# Altium PCB bms_mainboard-1_1.PcbDoc (part 1 of 7)
Units mm, origin at the board's own origin, x right, y up, seen from the top; angles counter-clockwise.
Board outline 287.5 x 127.76 mm, 6 copper layers (L1, L2, L3, L4, L5, L6), stack 1.853 mm thick; 841 components, 653 nets, 2906 pads, 1959 vias.
Unrouted connection lines stored in the file: 199.
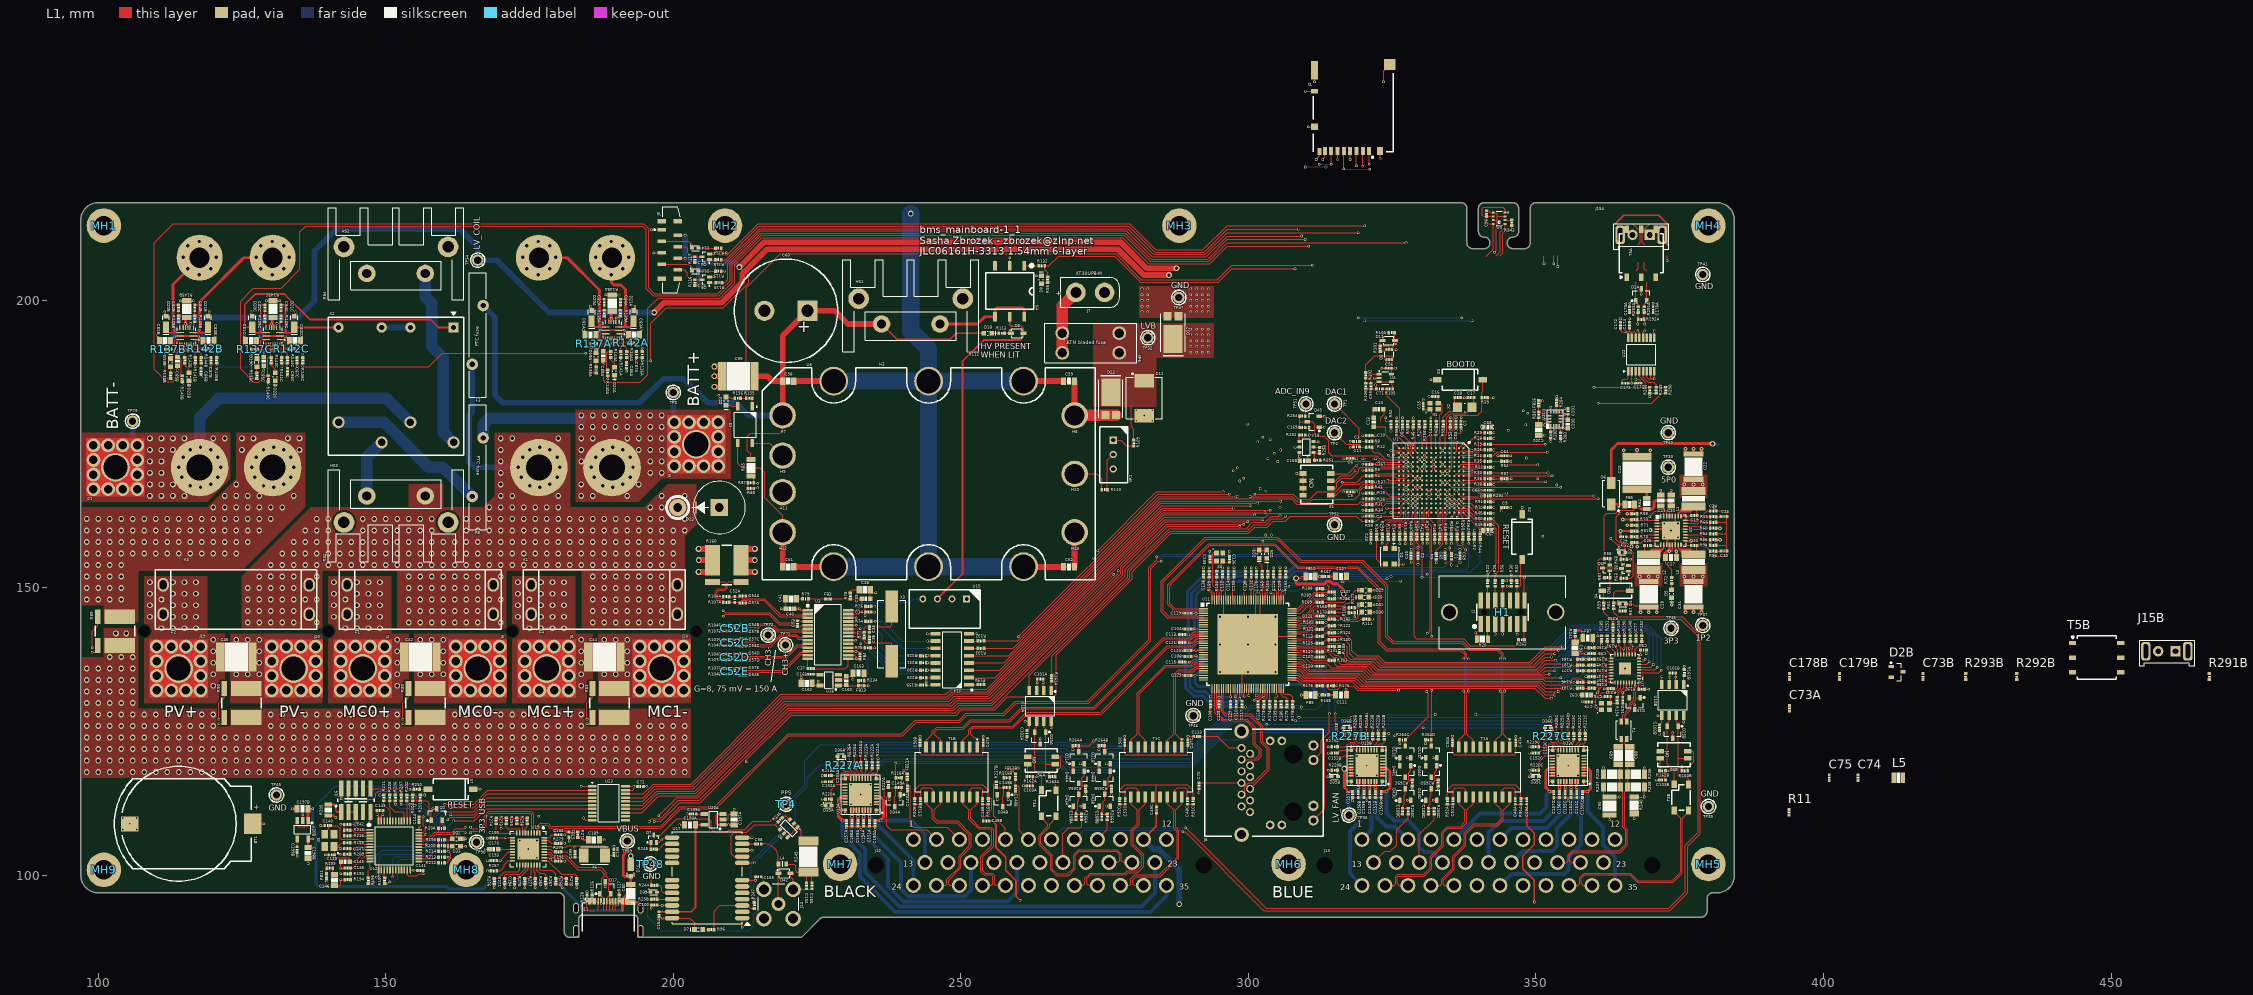
[diagram p0: L1 view]
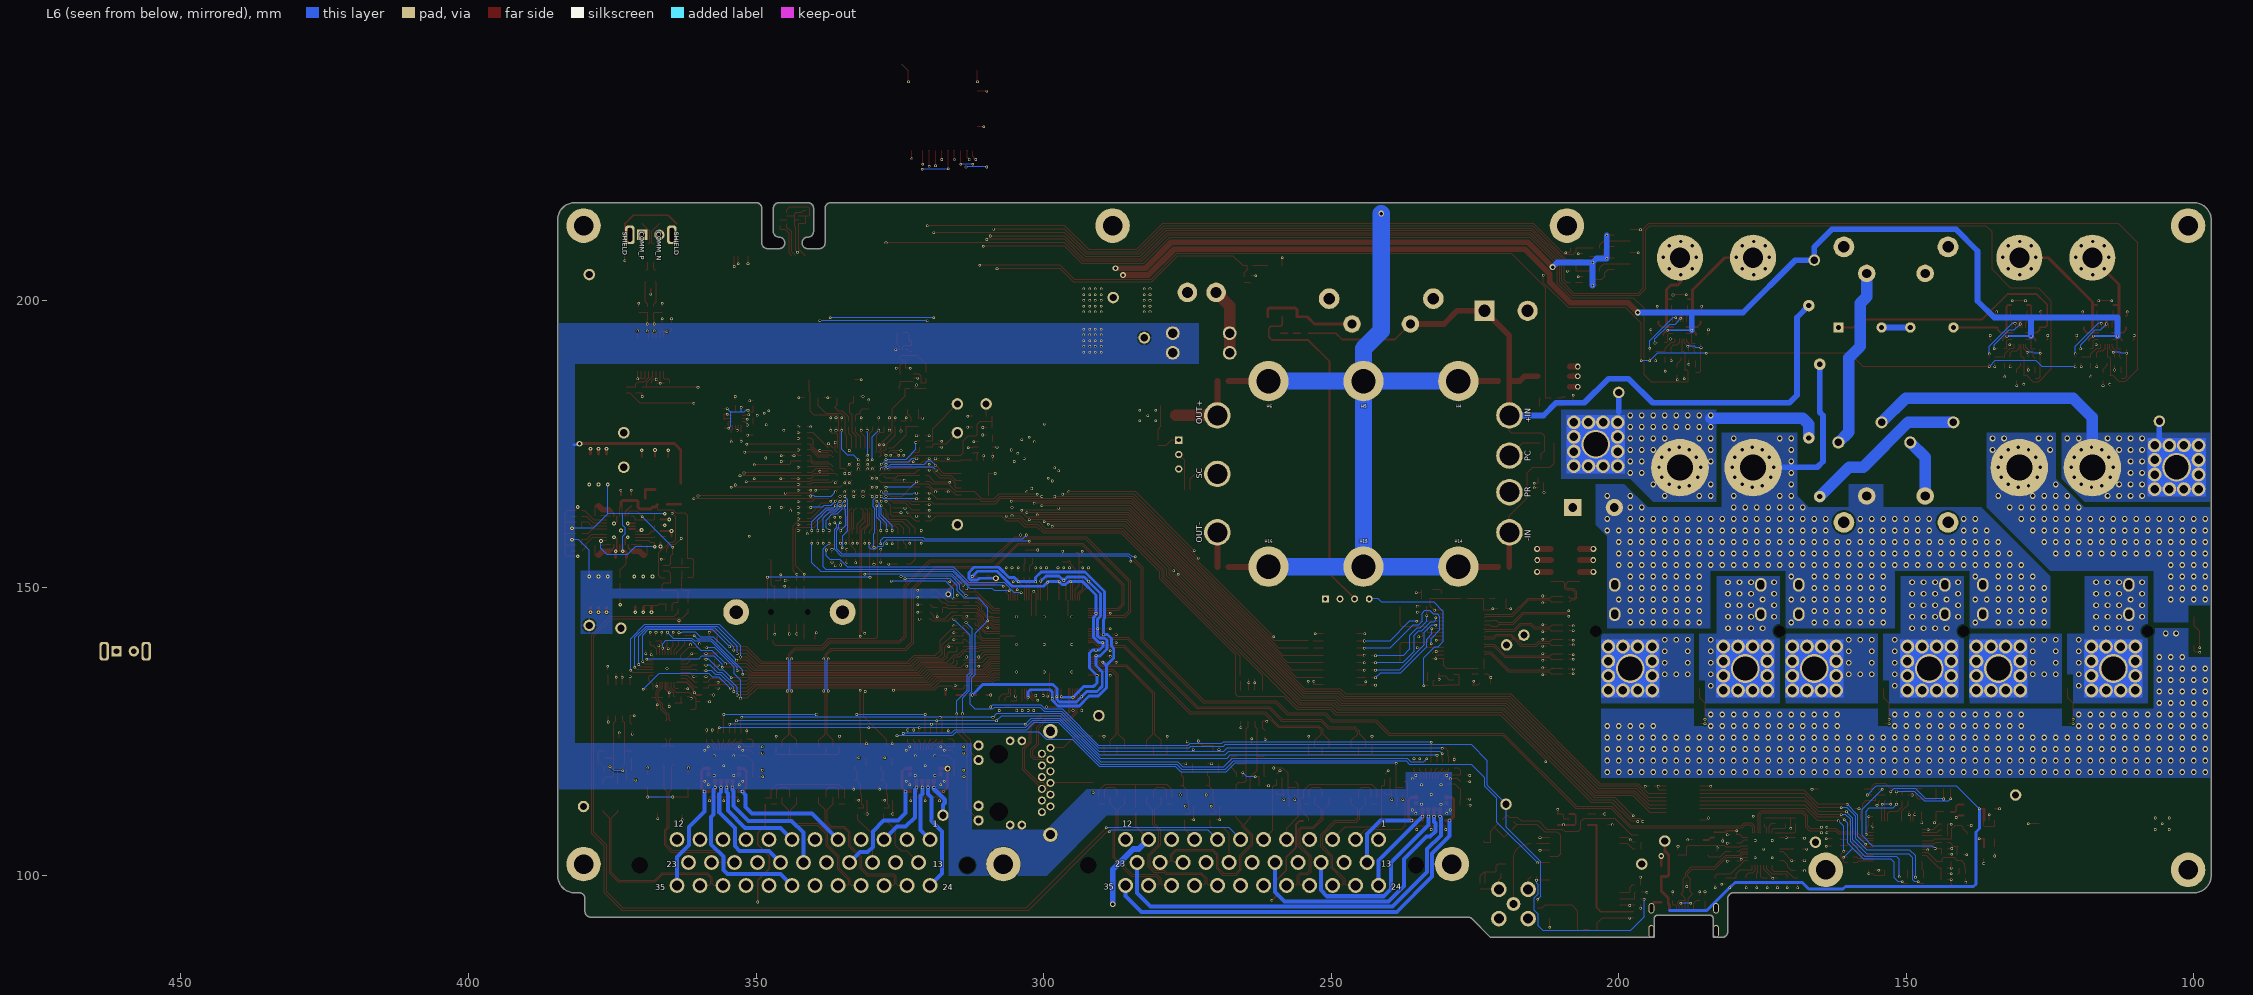
[diagram p1: L6 view, seen from below]
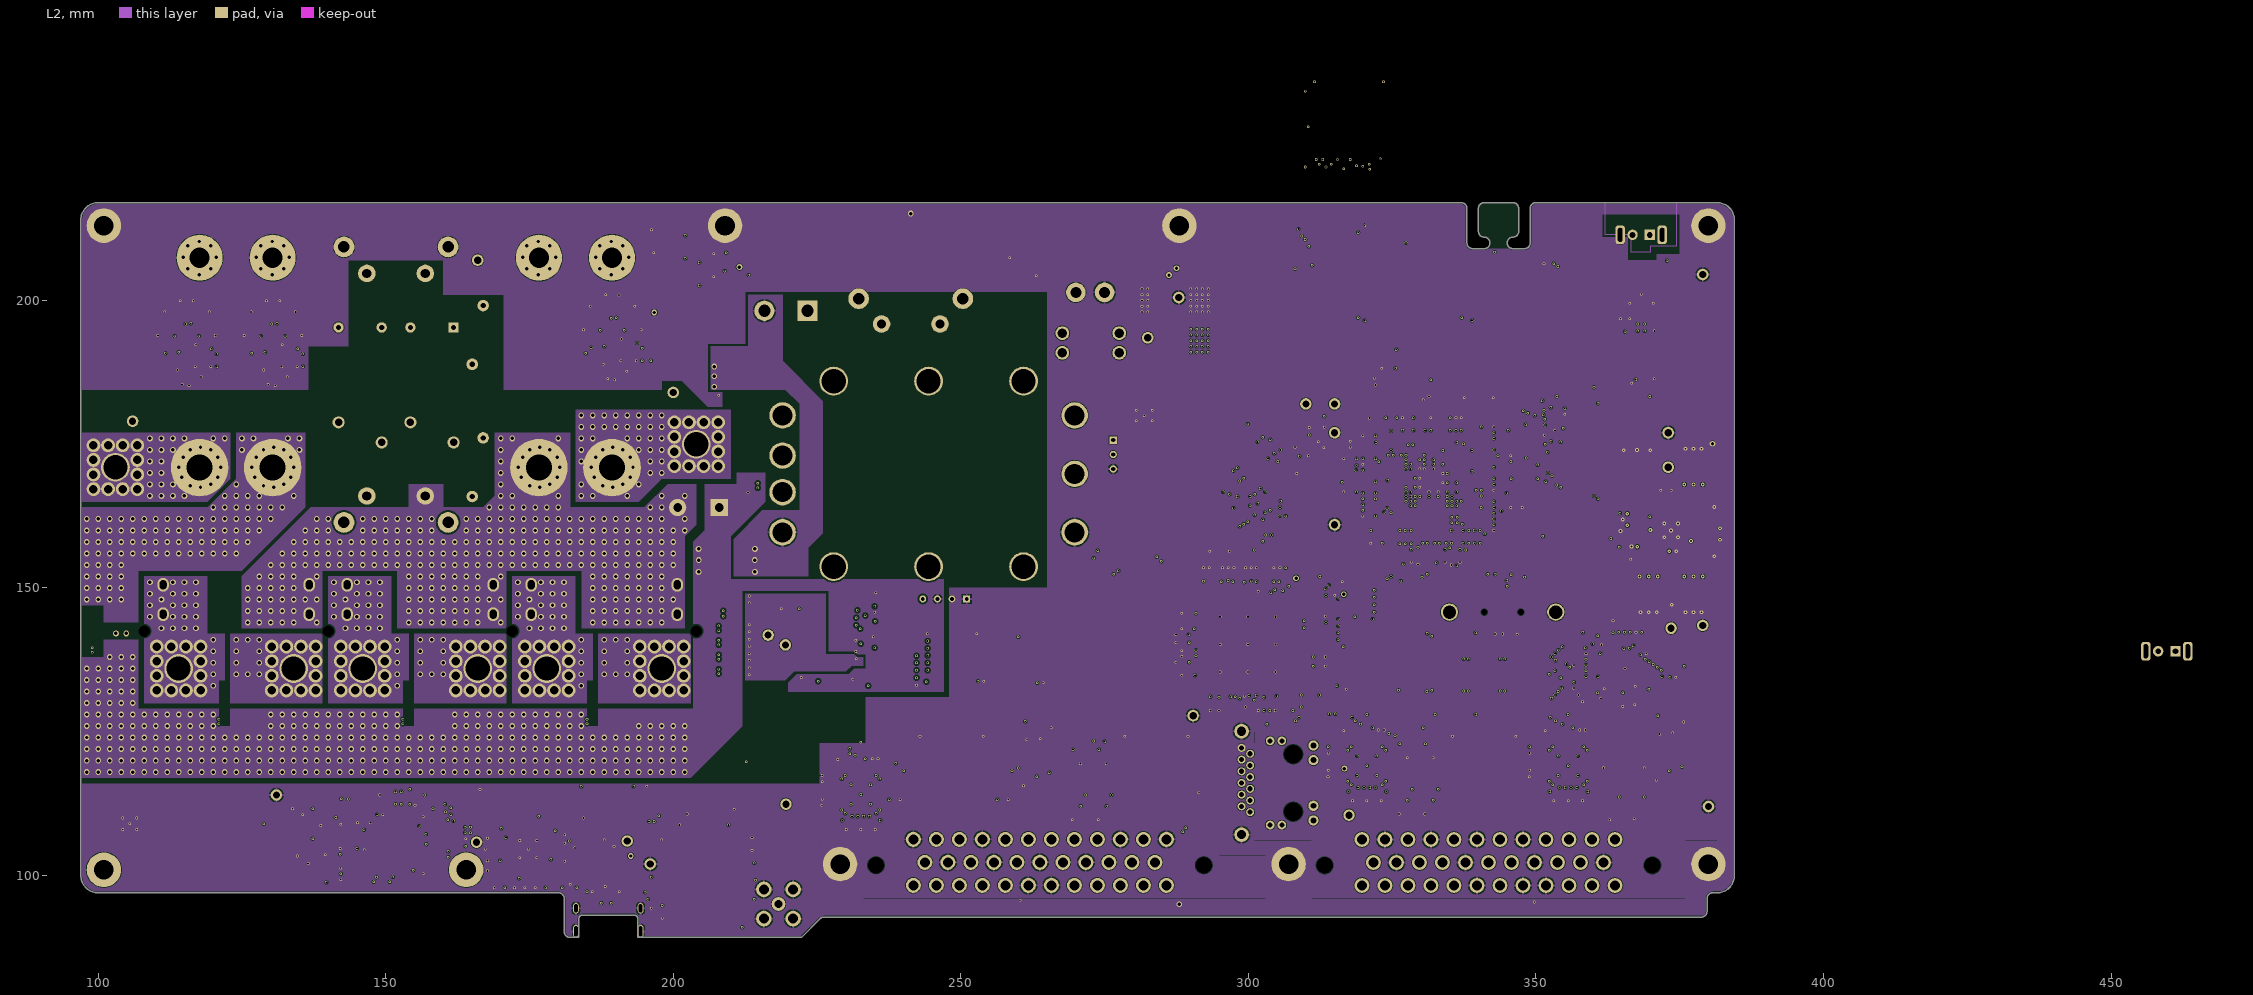
[diagram p2: L2]
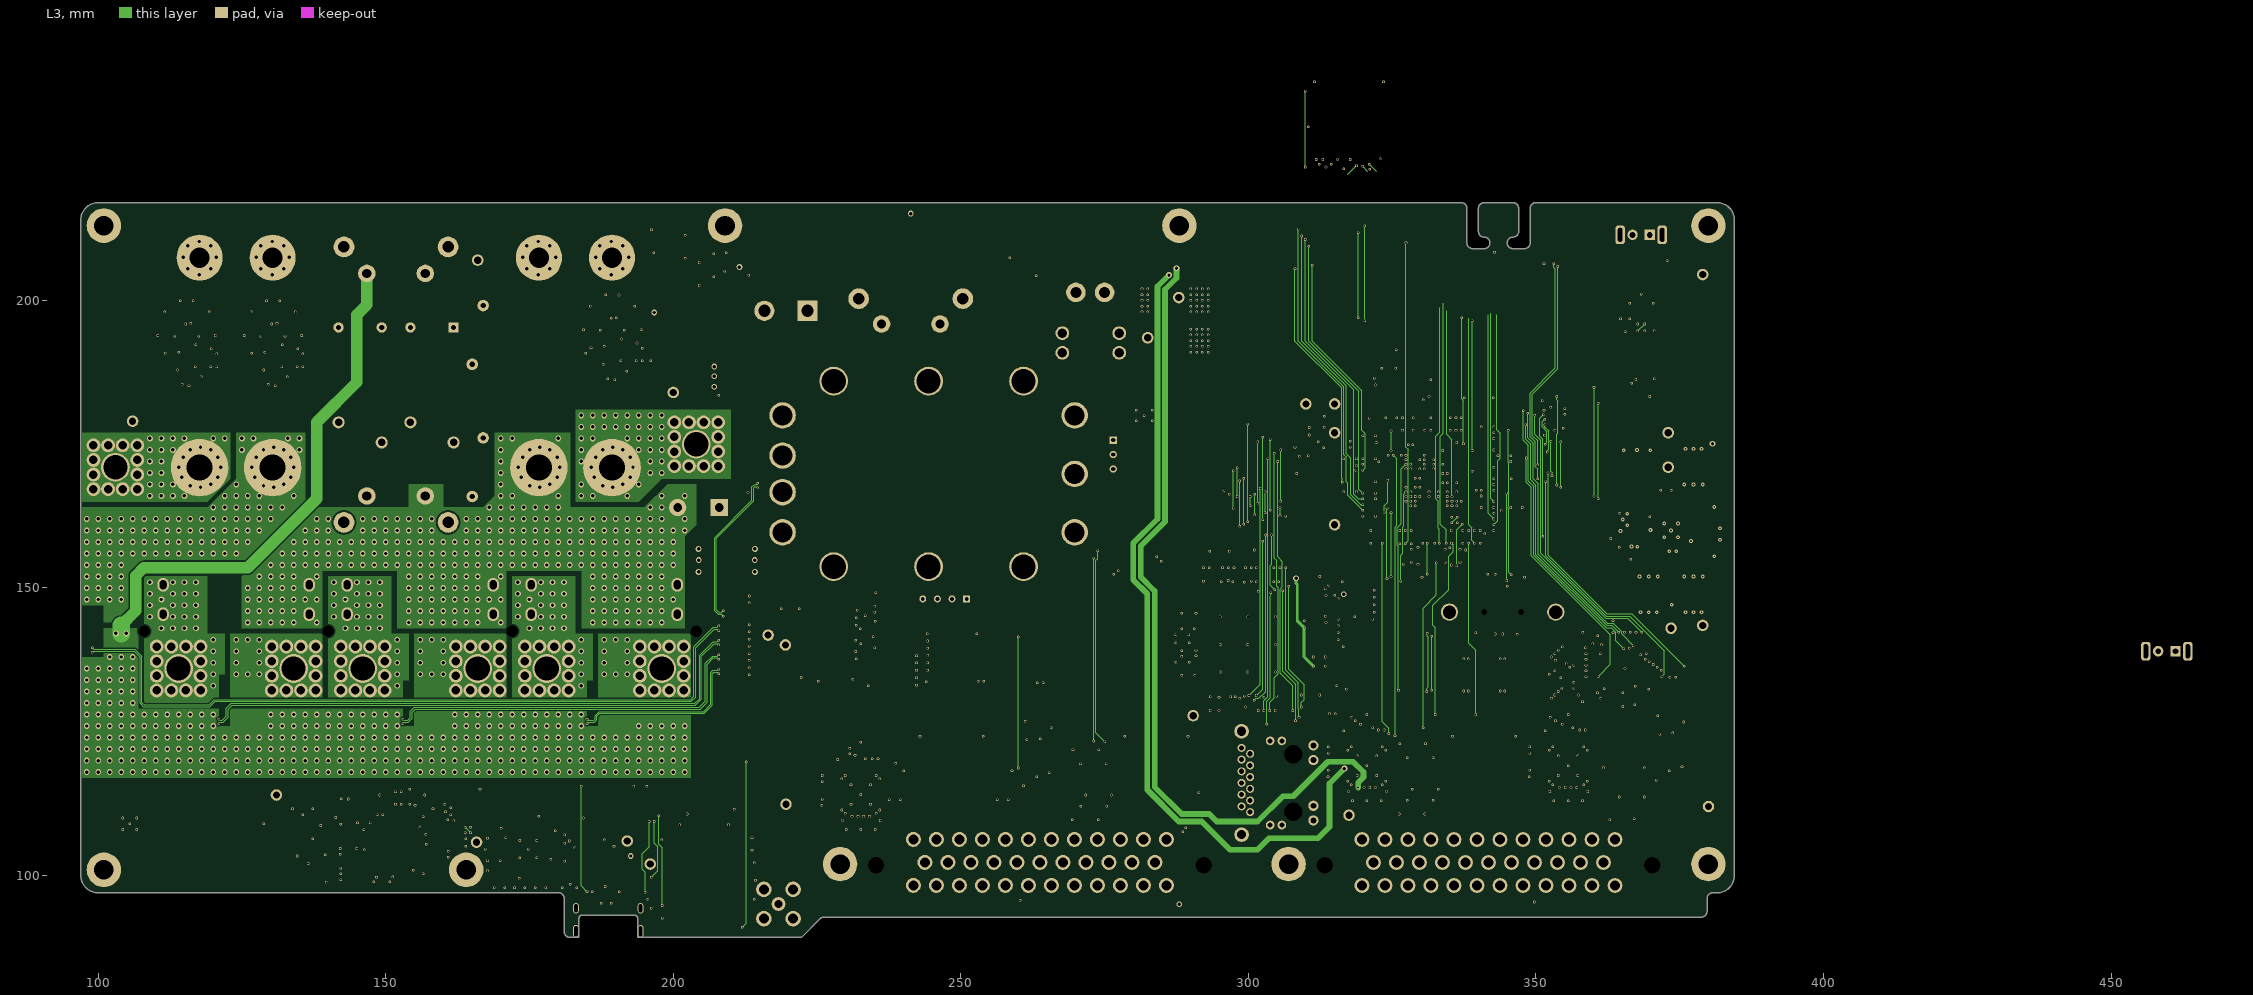
[diagram p3: L3]
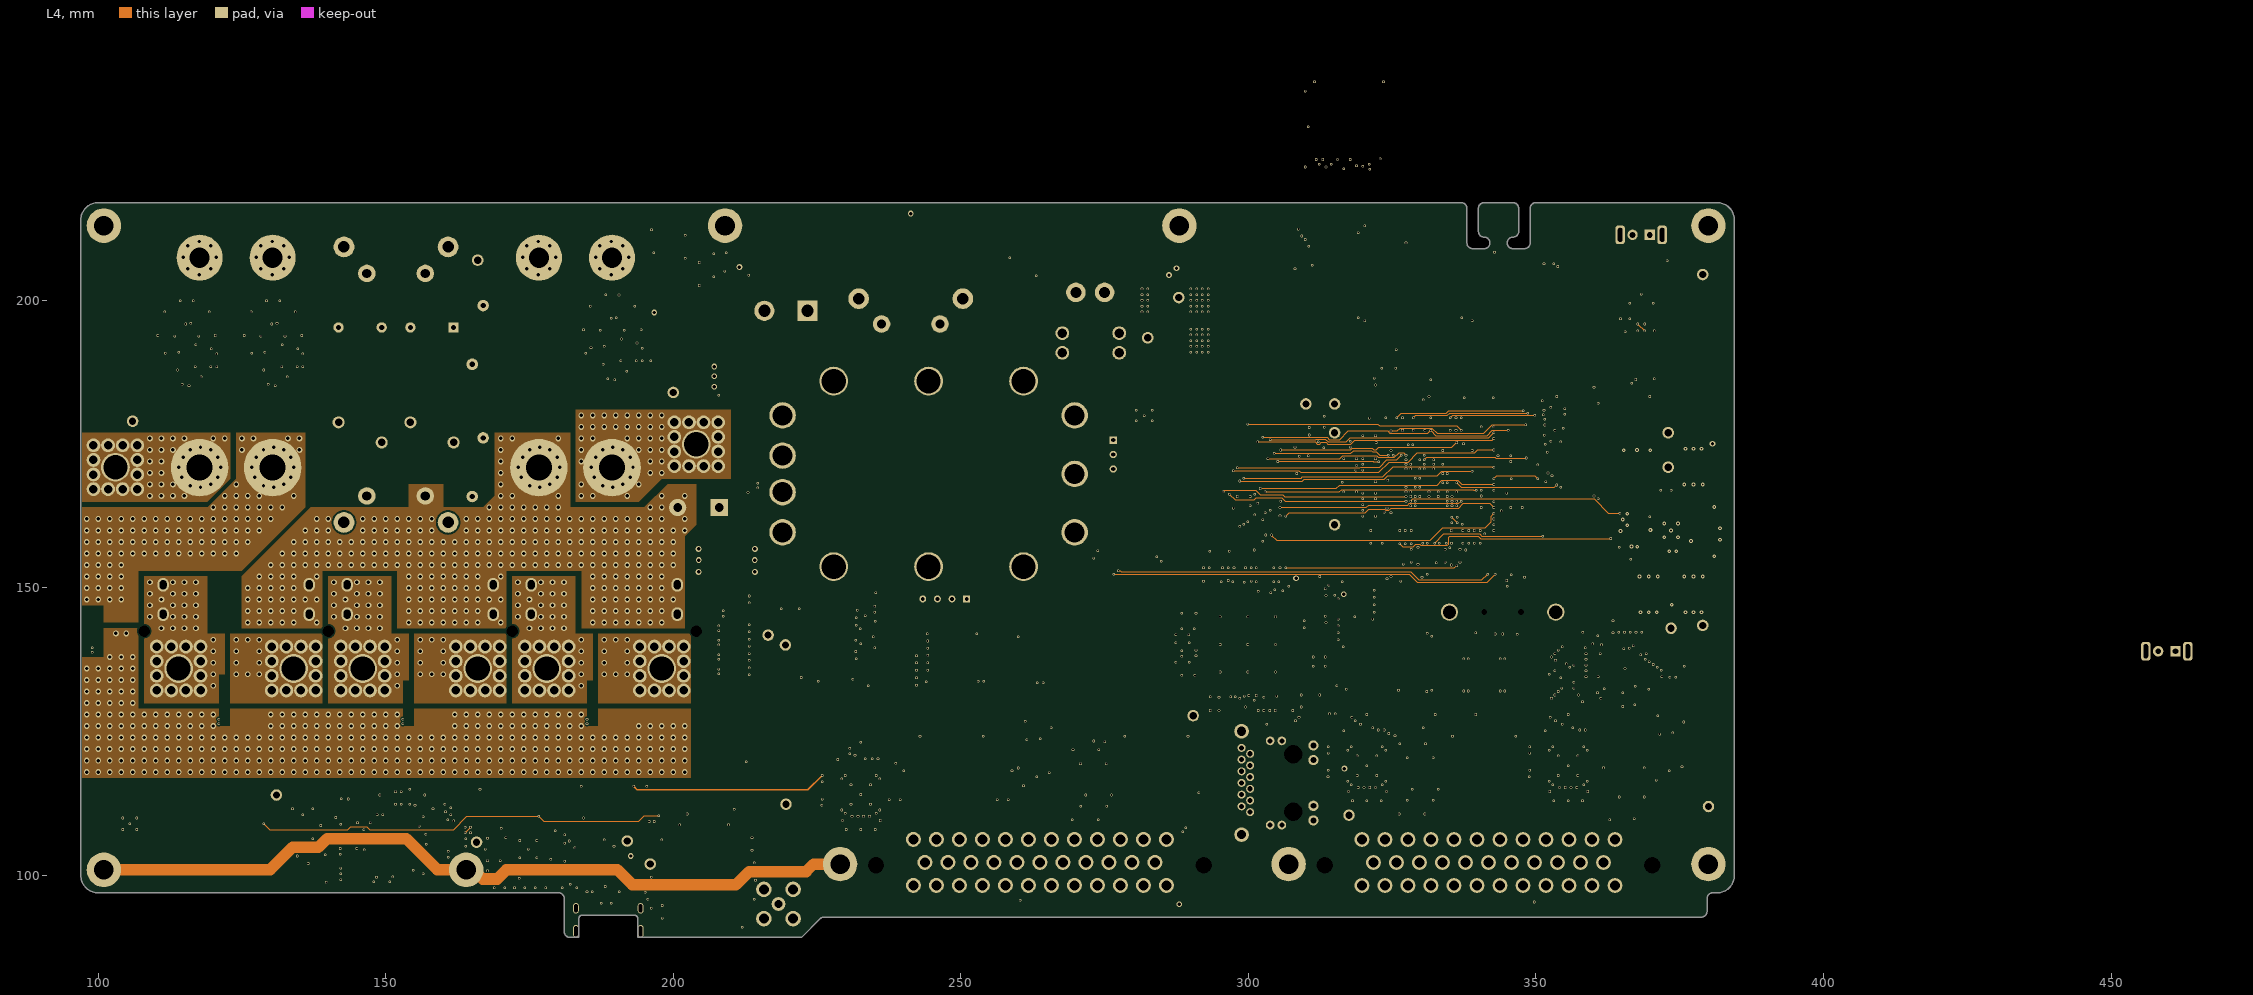
[diagram p4: L4]
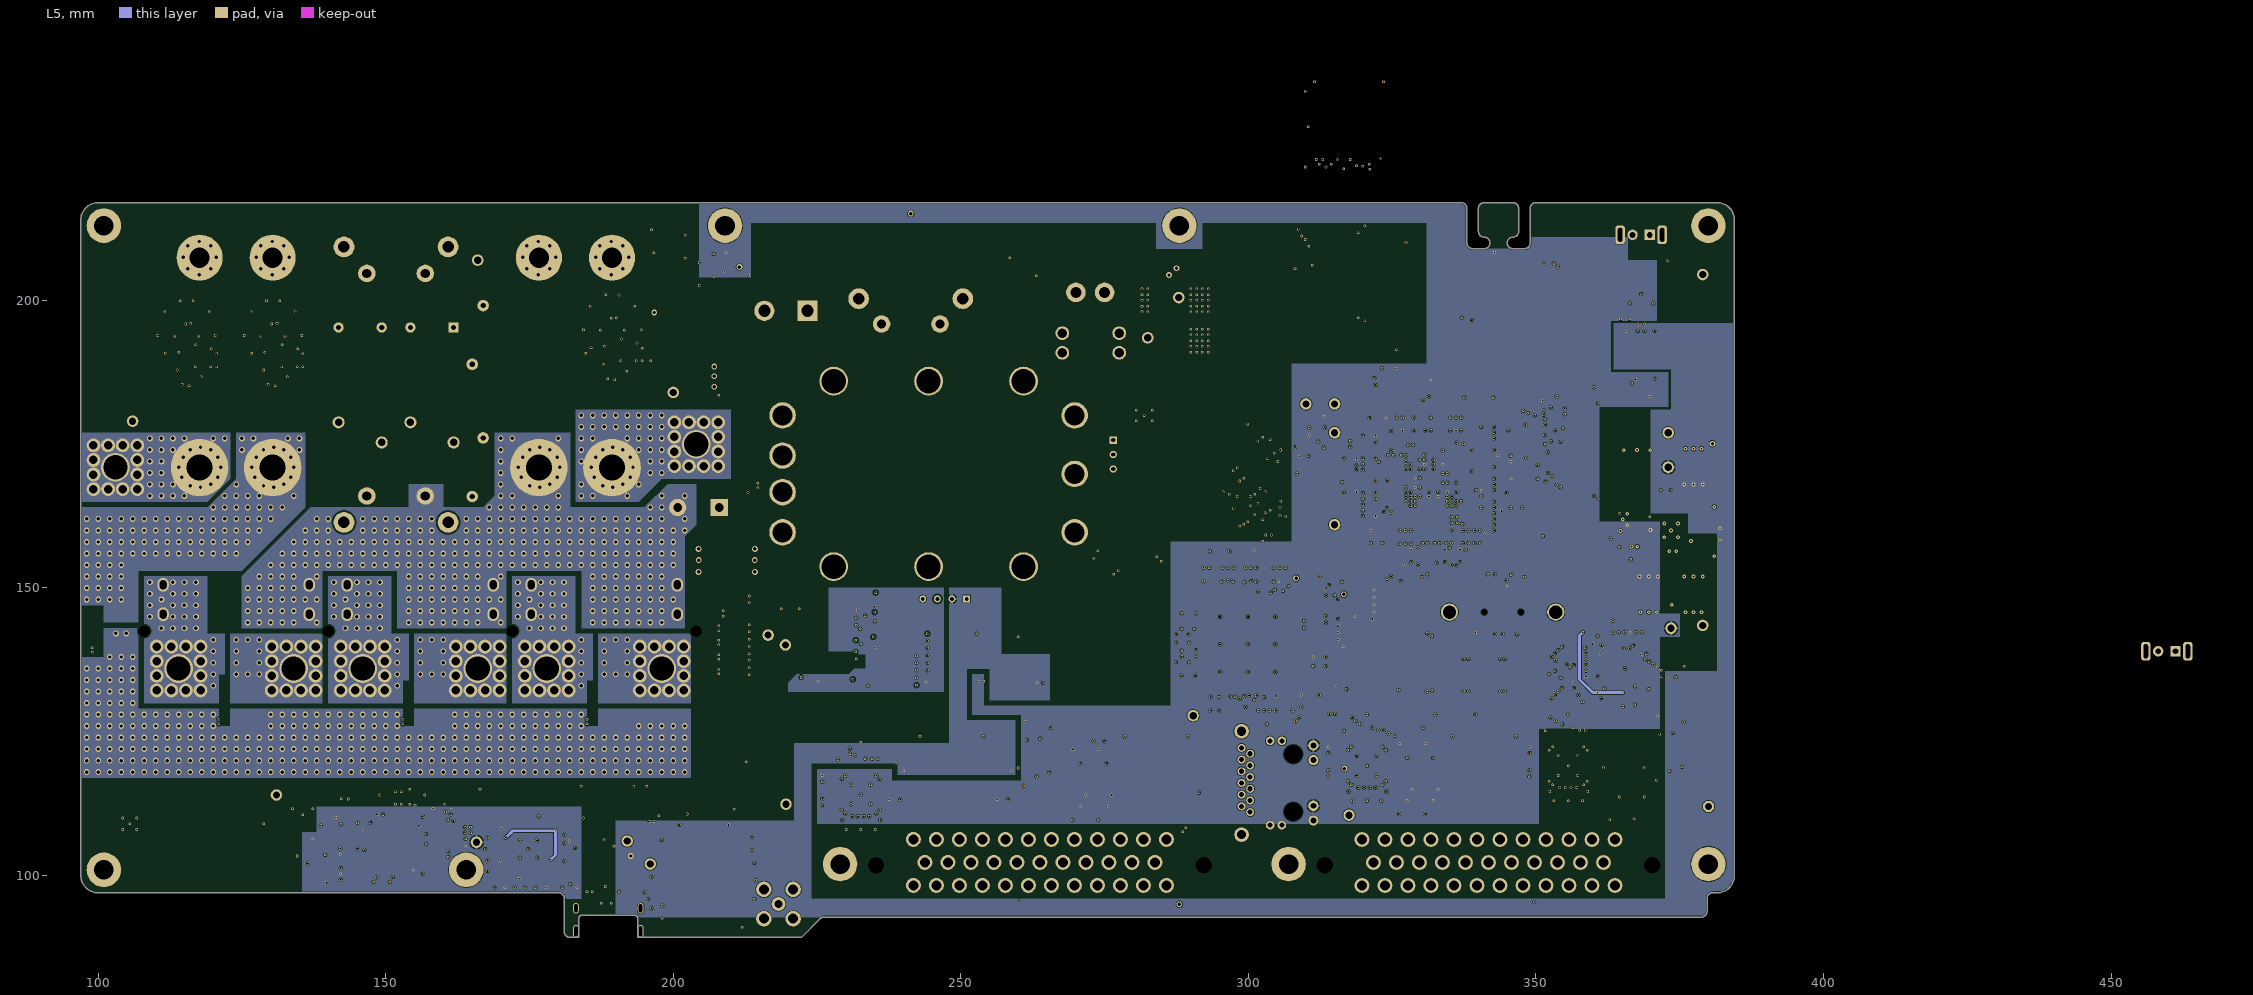
[diagram p5: L5]
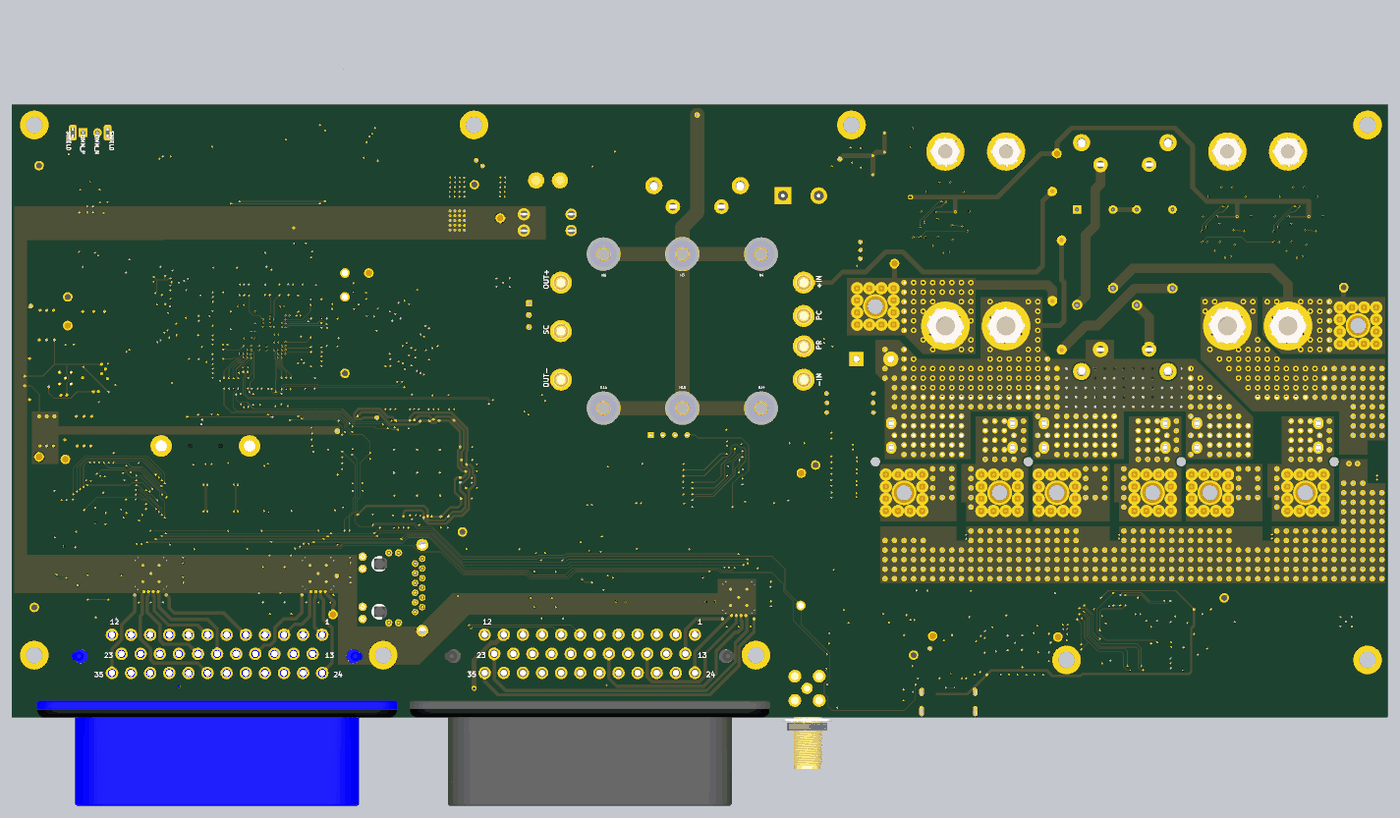
[diagram p12: 3D render of the assembled board from below, using the file's embedded part models]

## Layer stack, top to bottom
Top Solder: solder mask 0.0127, Solder Resist, Dk 3.8
L1: signal copper 0.35
Dielectric 1: prepreg 0.0994, 3313 RC57%, Dk 4.1
L2: signal copper 0.0152
Core 1: core 0.55, FR-4, Dk 4.6
L3: signal copper 0.0152
Dielectric 2: prepreg 0.1088, 2116 RC54%, Dk 4.16
L4: signal copper 0.0152
Core 2: core 0.55, FR-4, Dk 4.6
L5: signal copper 0.0152
Dielectric 3: prepreg 0.0994, 3313 RC57%, Dk 4.1
L6: signal copper 0.035
Bottom Solder: solder mask 0.0127, Solder Resist, Dk 3.8

## Board outline
181.05,90.244 ccw(c182.05,90.244) 182.05,89.244 183.6,89.244 183.6,92.6 cw(c184.1,92.6) 184.1,93.1 193.3,93.1 cw(c193.3,92.6) 193.8,92.6 193.8,89.244 222.275,89.244 225.507,92.476 cw(c226.214,91.769) 226.214,92.769 378.75,92.769 ccw(c378.75,93.769) 379.75,93.769 379.75,96 cw(c380.75,96) 380.75,97 381.5,97 ccw(c381.5,100) 384.5,100 384.5,214 ccw(c381.5,214) 381.5,217 350,217 ccw(c350,216) 349,216 349,210 cw(c348,210) 348,209 346,209 cw(c346,210) 345,210 cw(c346,210) 346,211 ccw(c346,212) 347,212 347,216 ccw(c346,216) 346,217 341,217 ccw(c341,216) 340,216 340,212 ccw(c341,212) 341,211 cw(c341,210) 342,210 cw(c341,210) 341,209 339,209 cw(c339,210) 338,210 338,216 ccw(c337,216) 337,217 100,217 ccw(c100,214) 97,214 97,100 ccw(c100,100) 100,97 180.05,97 cw(c180.05,96) 181.05,96

## Design rules (kind name [scope] priority, off if disabled: settings)
AcuteAngle [All] p1: minimum=7.00000000000000E+0001 checktracksonly=FALSE
AssemblyTestPointUsage [All] p1: valid=2
BoardOutlineClearance BoardOutlineCollisionOk [HasFootprint('HIROSE_DM3BT') or HasFootprint('CONN_USBC_UJ20-C-G-MSMT-TR-68')] p1: gap=0 ignorepadtopadclearanceinfootprint=FALSE
BoardOutlineClearance [All] p2: gap=0.25 ignorepadtopadclearanceinfootprint=FALSE except(0: Arc-SplitContinuation Track-SplitContinuation SMDPad-SplitContinuation THPad-SplitContinuation Via-SplitContinuation Fill-SplitContinuation Poly-SplitContinuation Region-SplitContinuation Text-SplitContinuation)
Clearance HV [InNetClass('HV')] p1: gap=0.3 ignorepadtopadclearanceinfootprint=TRUE
Clearance [All] p2: gap=0.1 ignorepadtopadclearanceinfootprint=TRUE
ComponentClearance [All] p1 off: gap=0.254 collisioncheckmode=3 verticalgap=0.254 showdistances=FALSE
DiffPairsRouting DE_90 [InDifferentialPairClass('DE_90')] p1: maxlimit=0.2 minlimit=0.2 mostfreqgap=0.2 toplayer_minwidth=0.1 toplayer_maxwidth=0.158 toplayer_prefwidth=0.158 midlayer1_minwidth=0.1 midlayer1_maxwidth=0.158 midlayer1_prefwidth=0.158 midlayer2_minwidth=0.1 midlayer2_maxwidth=0.158 midlayer2_prefwidth=0.158 midlayer3_minwidth=0.1 midlayer3_maxwidth=0.158 midlayer3_prefwidth=0.158 midlayer4_minwidth=0.1 midlayer4_maxwidth=0.158 midlayer4_prefwidth=0.158 bottomlayer_minwidth=0.1 bottomlayer_maxwidth=0.158 bottomlayer_prefwidth=0.158 maxuncoupledlength=12.7
DiffPairsRouting DE_100 [InDifferentialPairClass('DE_100')] p2: maxlimit=0.2 minlimit=0.2 mostfreqgap=0.2 toplayer_minwidth=0.1 toplayer_maxwidth=0.123 toplayer_prefwidth=0.123 midlayer1_minwidth=0.1 midlayer1_maxwidth=0.123 midlayer1_prefwidth=0.123 midlayer2_minwidth=0.1 midlayer2_maxwidth=0.123 midlayer2_prefwidth=0.123 midlayer3_minwidth=0.1 midlayer3_maxwidth=0.123 midlayer3_prefwidth=0.123 midlayer4_minwidth=0.1 midlayer4_maxwidth=0.123 midlayer4_prefwidth=0.123 bottomlayer_minwidth=0.1 bottomlayer_maxwidth=0.123 bottomlayer_prefwidth=0.123 maxuncoupledlength=12.7
DiffPairsRouting DE_120 [InDifferentialPairClass('DE_120')] p3: maxlimit=0.2 minlimit=0.2 mostfreqgap=0.2 toplayer_minwidth=0.1 toplayer_maxwidth=0.1 toplayer_prefwidth=0.1 midlayer1_minwidth=0.1 midlayer1_maxwidth=0.1 midlayer1_prefwidth=0.1 midlayer2_minwidth=0.1 midlayer2_maxwidth=0.1 midlayer2_prefwidth=0.1 midlayer3_minwidth=0.1 midlayer3_maxwidth=0.1 midlayer3_prefwidth=0.1 midlayer4_minwidth=0.1 midlayer4_maxwidth=0.1 midlayer4_prefwidth=0.1 bottomlayer_minwidth=0.1 bottomlayer_maxwidth=0.1 bottomlayer_prefwidth=0.1 maxuncoupledlength=12.7
FabricationTestPointUsage [All] p1: valid=2 allowmultiple=FALSE
Height [All] p1: minheight=0 maxheight=50.8 prefheight=12.7
HoleSize [All] p1: absolutevalues=TRUE maxlimit=50.8 minlimit=0.3 maxpercent=80.000 minpercent=20.000
HoleToHoleClearance [All] p1: gap=0.5 allowstackedmicrovias=TRUE
MinimumAnnularRing MinimumViaRing [IsVia] p1: minimumring=0.07
MinimumAnnularRing [All] p2: minimumring=0.1
MinimumSolderMaskSliver [All] p1: minsoldermaskwidth=0.025
PlaneClearance [All] p1: clearance=0.203
PlaneConnect [All] p1: pad.planeconnectstyle=Relief pad.reliefexpansion=0.508 pad.reliefentries=4 pad.reliefconductorwidth=0.381 pad.reliefairgap=0.254 via.planeconnectstyle=Direct via.reliefexpansion=0.508 via.reliefentries=4 via.reliefconductorwidth=0.254 via.reliefairgap=0.254
PolygonConnect Heavy [HasFootprint('RELAY_FTR-J2') or HasFootprint('RELAY_P126') or HasFootprint('TE_ET_2173132-1') or HasFootprint('TE_ET_1982295-2') or HasFootprint('C2220') or HasFootprint('VISHAY_WSL2726') or HasFootprint('FUSEHOLDER_KEYSTONE_3568') or HasFootprint('EATON_ELV10-xx-2P') or HasFootprint('WURTH_TERM_7461086') or HasFootprint('C1812') or HasFootprint('SMD-4.1x4.1x2.0') or HasFootprint('POWERDI5') or HasFootprint('SMC') or HasFootprint('TO-247-2_VERTICAL') or HasFootprint('P600_VERTICAL') or HasFootprint('HOLE_M3')] p1: connectstyle=Direct reliefconductorwidth=0.254 reliefentries=4 polygonreliefangle="90 Angle" airgapwidth=0.254
PolygonConnect [All] p2: thpad.connectstyle=Relief thpad.reliefconductorwidth=0.381 thpad.reliefentries=4 thpad.polygonreliefangle="90 Angle" thpad.airgapwidth=0.254 smdpad.connectstyle=Relief smdpad.reliefconductorwidth=0.254 smdpad.reliefentries=4 smdpad.polygonreliefangle="90 Angle" smdpad.airgapwidth=0.254 via.connectstyle=Direct via.reliefconductorwidth=0.254 via.reliefentries=4 via.polygonreliefangle="90 Angle" via.airgapwidth=0.254
RoutingVias [All] p1: holewidth=0.3 width=0.45 viastyle="Through Hole" minholewidth=0.3 minwidth=0.45 maxholewidth=25.4 maxwidth=25.4
SilkToSilkClearance [All] p1: silktosilkclearance=0.076
SilkToSolderMaskClearance SilkscreenOverComponentPads [IsPad] p1: minsilkscreentomaskgap=0.003 clearancetoexposedcopper=FALSE
SolderMaskExpansion Vias [IsVia] p1: expansion=0.051 istentingtop=FALSE soldermaskfromhole=TRUE
SolderMaskExpansion "Default expansion" [All] p2: expansion=0.076 istentingtop=FALSE
SupplyNets "Schematic Supply Nets_3" [InNet('1P1_MCU')] p1: voltage=0.000
SupplyNets "Schematic Supply Nets_9" [InNet('HV_N')] p2: voltage=0.000
SupplyNets "Schematic Supply Nets_2" [InNet('3P3_USB')] p3: voltage=0.000
SupplyNets "Schematic Supply Nets_19" [InNet('HV_P')] p4: voltage=0.000
SupplyNets "Schematic Supply Nets_18" [InNet('3P3_B')] p5: voltage=0.000
SupplyNets "Schematic Supply Nets_17" [InNet('LV_COIL')] p6: voltage=0.000
SupplyNets "Schematic Supply Nets_15" [InNet('LV_FAN')] p7: voltage=0.000
SupplyNets "Schematic Supply Nets_14" [InNet('VBUS')] p8: voltage=0.000
SupplyNets "Schematic Supply Nets_11" [InNet('CHASSIS')] p9: voltage=0.000
SupplyNets "Schematic Supply Nets_8" [InNet('5P0_B')] p10: voltage=0.000
SupplyNets "Schematic Supply Nets_7" [InNet('LVB')] p11: voltage=0.000
SupplyNets "Schematic Supply Nets_6" [InNet('5P0')] p12: voltage=0.000
SupplyNets "Schematic Supply Nets_5" [InNet('3P3')] p13: voltage=0.000
SupplyNets "Schematic Supply Nets_4" [InNet('GND')] p14: voltage=0.000
SupplyNets "Schematic Supply Nets_1" [InNet('1P2')] p15: voltage=0.000
SupplyNets "Schematic Supply Nets" [InNet('VBAT')] p16: voltage=0.000
UnRoutedNet [All] p1: checkbadconnections=TRUE
Width SE_50 [InNetClass('SE_50')] p1: maxlimit=0.156 minlimit=0.156 preferedwidth=0.156
Width [All] p2: maxlimit=50.8 minlimit=0.1 preferedwidth=0.15
17 further rules are at their usual default settings.
